# Altium PCB PMSM_Driver.PcbDoc (part 4 of 4)
Units mm, origin at the board's own origin, x right, y up, seen from the top; angles counter-clockwise.
Board outline 270 x 180 mm, 2 copper layers (Top Layer, Bottom Layer), stack 1.371 mm thick; 410 components, 145 nets, 890 pads, 484 vias.
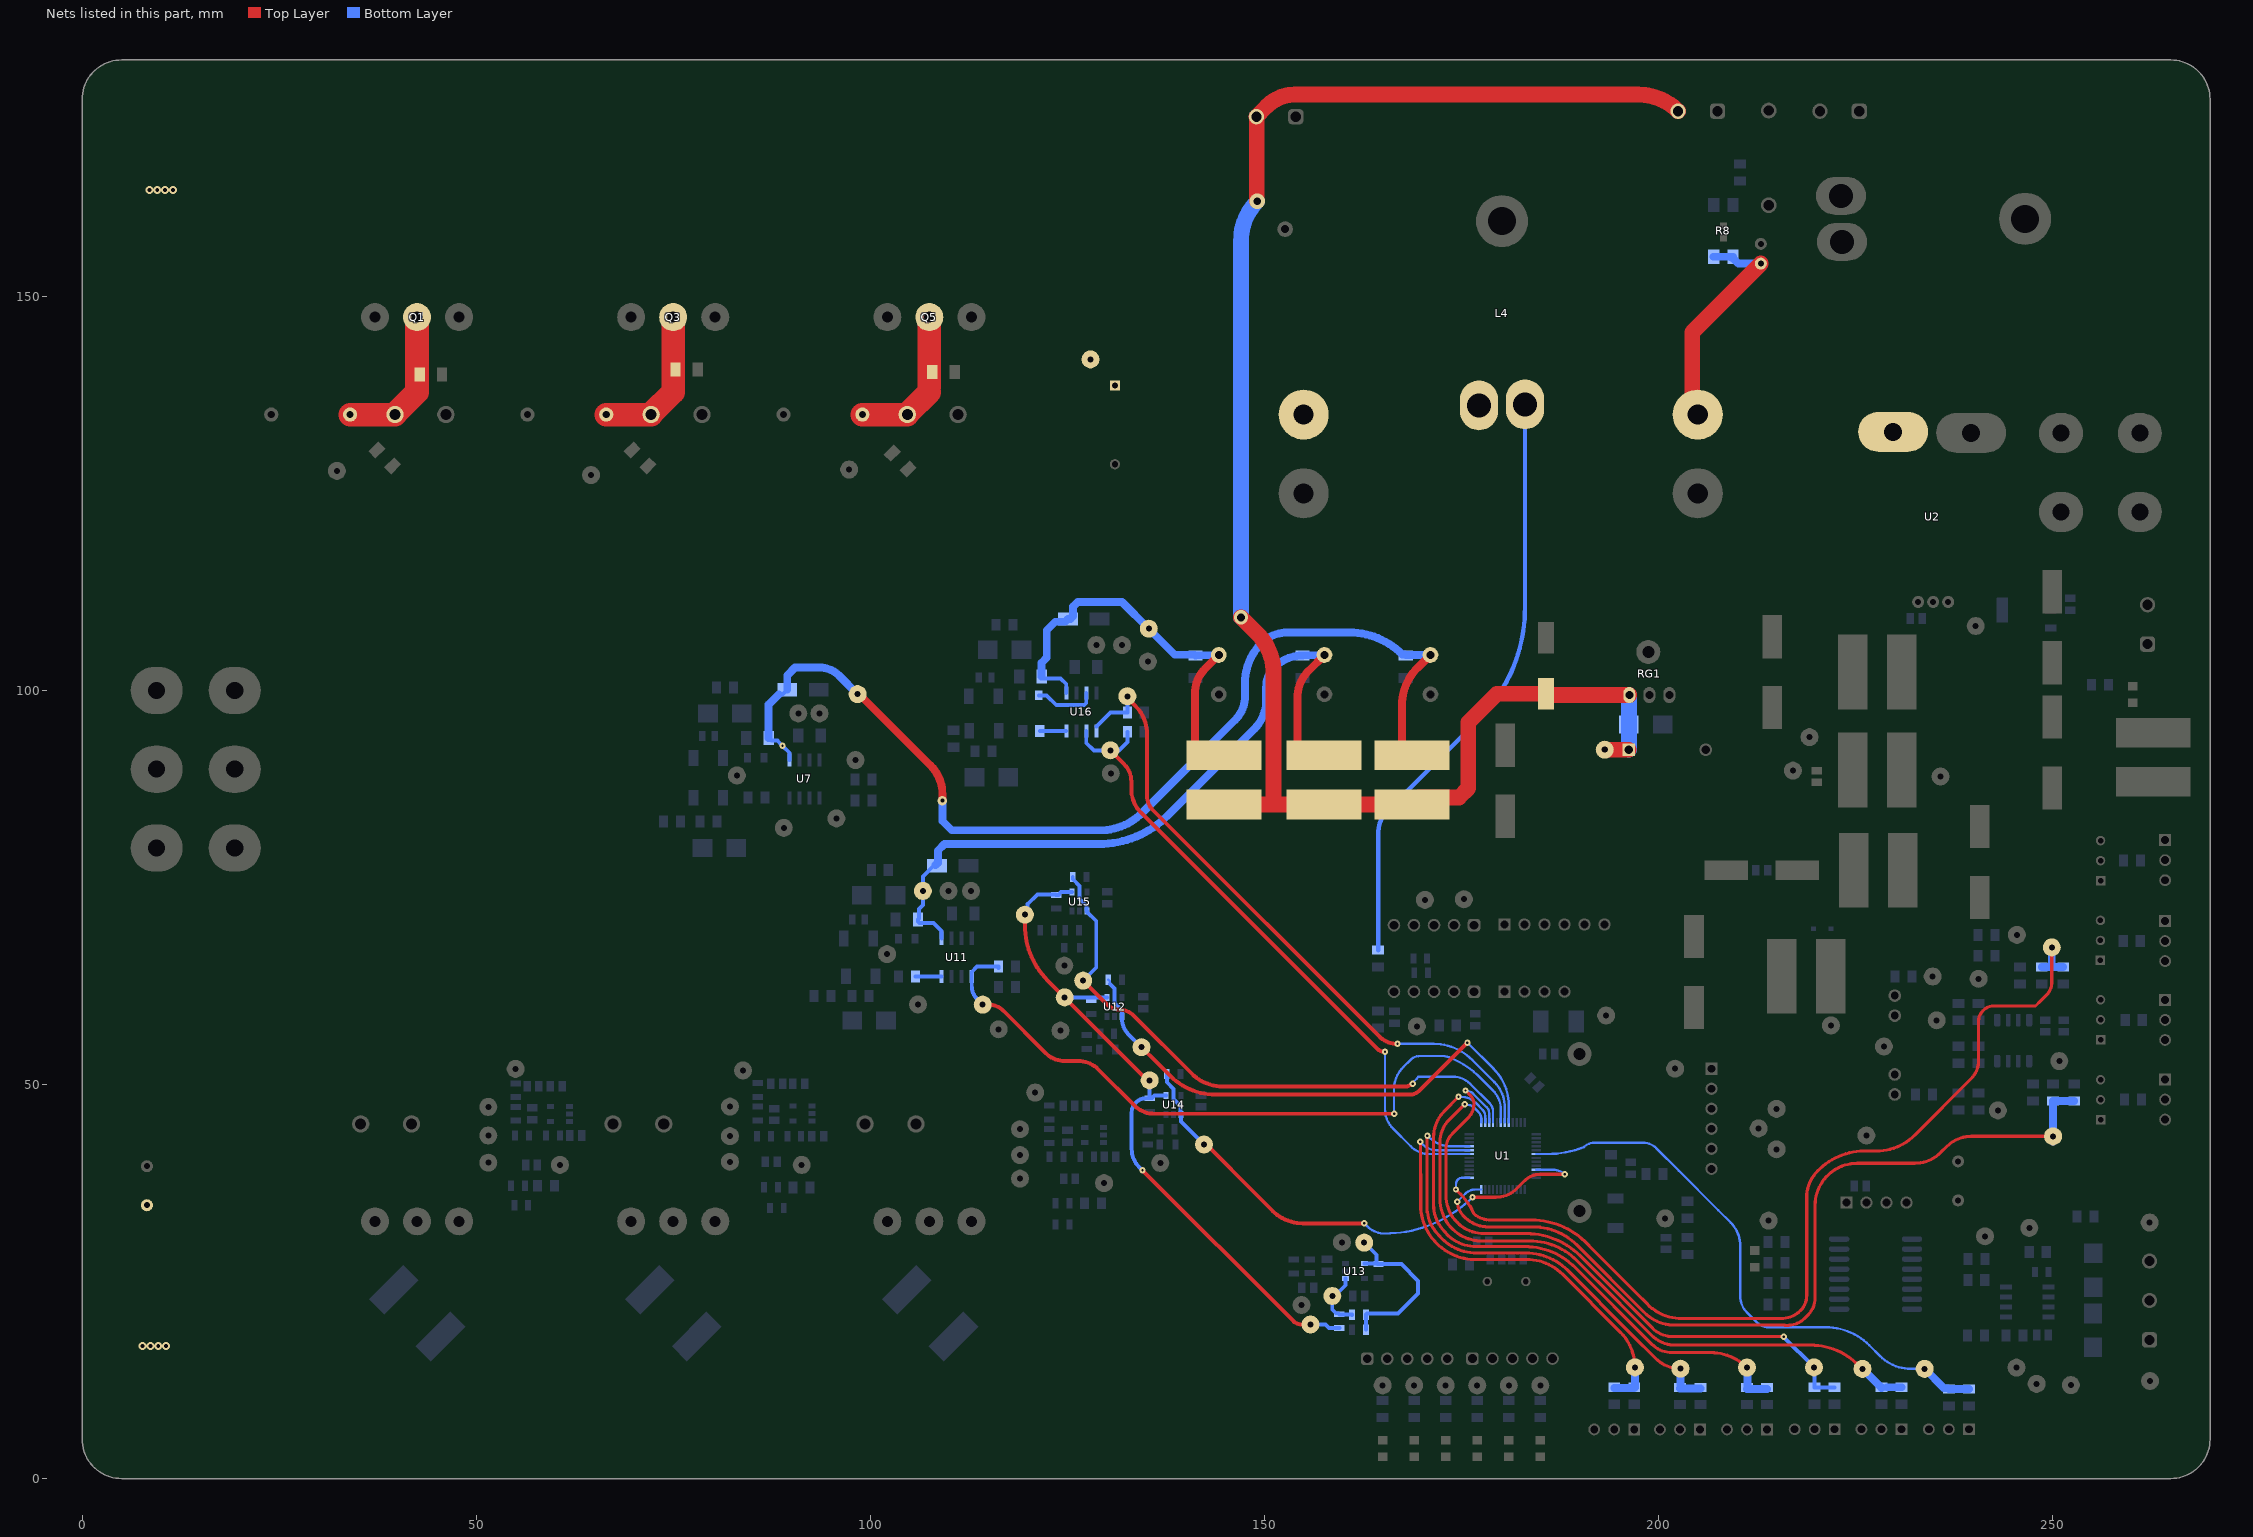
[diagram p4: the nets of this part, all layers, seen from the top]

## Via types
v1: diameter 1, hole 0.5, Top Layer to Bottom Layer, tented both sides, 337 vias
v2: diameter 0.8, hole 0.3, Top Layer to Bottom Layer, tented both sides, 109 vias
v3: diameter 1.2, hole 0.5, Top Layer to Bottom Layer, tented both sides, 17 vias
v4: diameter 1.2, hole 0.7, Top Layer to Bottom Layer, tented both sides, 8 vias
v5: diameter 0.8, hole 0.3, Top Layer to Bottom Layer, 5 vias
v6: diameter 1, hole 0.5, Top Layer to Bottom Layer, 4 vias
v7: diameter 1.8, hole 1, Top Layer to Bottom Layer, tented both sides, 4 vias

## Nets (pads, with @x,y where several pads share a name; then routed paths per layer and width w, separated by ;. In a path a pad name is that pad's centre, name@x,y a point inside that pad or via, vN(x,y) a via of type N, cw(c..) or ccw(c..) an arc to the next point about the centre after c; other vN are vias at no path point) (continued)
NetR56_2: R56.2 TP56.1 U1.30 U11.1 | length 89.8
  Top Layer w0.5: TP56.1@114.275,60.125 115.027,60.125 cw(c115.027,57.496) 116.885,59.355 116.887,59.353 122.236,54.004 ccw(c124.717,56.481) 124.718,52.975 124.72,52.975 126.397,52.975 cw(c126.397,49.407) 128.922,51.928 ; 128.922,51.928 133.518,47.332 ccw(c136.038,49.841) 136.046,46.285 136.047,46.285 v2(166.484,46.285)
  Bottom Layer w0.3: 166.45,49.331 166.45,46.318 v2(166.484,46.285) ; 166.45,49.333 cw(c170.502,49.333) 167.638,52.198 168.555,53.116 cw(c169.762,51.911) 169.762,53.616 172.64,53.616 cw(c172.312,50.158) 173.741,53.324 cw(c169.291,42.802) 177.372,50.878 179.02,49.23 179.021,49.228 cw(c176.606,46.809) 180.025,46.809 ; U1.30@180.025,45.175 180.025,46.807
  Bottom Layer w0.5: TP56.1@114.275,60.125 113.598,60.802 cw(c115.32,62.529) 112.881,62.53 112.881,62.531 U11.1@112.881,63.72 112.881,64.301 112.885,64.305 112.895,64.305 113.554,64.963 R56.2@116.248,64.963 ; R56.2@116.248,64.776 R56.2@116.248,64.963 ; R56.2@116.26,64.963 R56.2@116.248,64.963
NetR57_2: R57.2 U11.4 | length 3.3
  Bottom Layer w0.5: R57.2@105.757,63.72 U11.4@109.071,63.72
NetR60_1: R60.1 R62.1 TP67.1 U1.21 | length 61.4
  Top Layer w0.4: v2(170.7,43.5) 170.632,43.432 170.632,34.547 ccw(c175.884,34.544) 172.183,30.817 cw(c171.9,30.534) 172.202,30.796 ccw(c176.952,34.877) 176.963,28.615 183.177,28.615 183.178,28.615 cw(c183.181,21.122) 188.495,26.405 196.707,18.193 199.672,15.228 ccw(c202.798,18.346) TP67.1@202.801,13.931
  Bottom Layer w0.3: v2@170.951,43.5 170.827,43.5 v2(170.7,43.5) 170.894,43.306 ccw(c173.665,46.074) 173.665,42.158 ; 173.667,42.158 174.071,42.158 ccw(c174.11,42.455) 174.108,42.155 175.289,42.155 175.291,42.157 176.001,42.157 176.001,42.173 U1.21@176.025,42.175
  Bottom Layer w1: R60.1@202.745,11.421 R62.1@205.345,11.421 ; R60.1@202.801,11.477 TP67.1@202.801,13.931 TP67.1@202.801,14.37
NetR61_2: R61.2 TP80.1 U1.32 U12.1 | length 68.4
  Top Layer w0.5: TP80.1@134.425,54.725 136.258,52.892 138.034,51.116 ; 138.035,51.115 ccw(c143.863,56.941) 143.866,48.7 146.377,48.7 166.981,48.7 166.983,48.7 168.345,48.7 ccw(c168.345,50.705) 169.764,49.289 v2(175.775,55.3)
  Bottom Layer w0.3: R61.2@130.199,63.3 130.427,63.072 R61.2@130.427,62.748 ; v2(175.775,55.3) 179.131,51.944 cw(c174.565,47.374) 181.025,47.374 U1.32@181.025,45.175
  Bottom Layer w0.5: R61.2@130.427,62.748 131,62.175 131,60.325 131.95,59.375 U12.1@131.95,58.65 131.95,58.303 131.95,58.301 ccw(c134.607,58.301) 132.73,56.42 TP80.1@134.425,54.725
NetR65_2: R65.2 TP79.1 U1.28 U15.1 | length 76.1
  Top Layer w0.5: TP79.1@127.022,63.175 130.113,60.084 ccw(c131.52,61.487) 131.521,59.5 ; 131.522,59.5 cw(c131.522,56.739) 133.474,58.692 133.477,58.689 140.798,51.368 ccw(c144.694,55.251) 144.703,49.75 167.433,49.75 167.945,49.75 ccw(c167.945,50.872) 168.637,49.989 cw(c168.945,49.594) v2(168.82,50.079)
  Bottom Layer w0.3: v2(168.82,50.079) 168.82,50.214 169.34,50.734 169.34,50.762 169.578,51 173.925,51 ; 173.926,51 cw(c173.932,47.919) 176.118,50.09 178.639,47.568 cw(c177.456,46.538) 178.647,47.559 cw(c177.456,46.538) 179.025,46.538 U1.28@179.025,45.175
  Bottom Layer w0.5: R65.2@125.696,76.325 125.696,76.049 126.572,75.173 126.572,73.55 127.447,72.675 127.447,72.075 U15.1@127.522,72 127.522,71.875 128.679,70.718 128.679,64.832 TP79.1@127.022,63.175
NetR67_2: R67.2 TP82.1 U1.46 U14.1 | length 67.2
  Top Layer w0.4: v2(176.427,35.697) 179.385,35.697 ccw(c179.387,39.464) 182.051,36.801 183.06,37.81 cw(c184.967,35.905) 184.967,38.601 v2(188.116,38.601)
  Top Layer w0.5: TP82.1@142.204,42.813 149.486,35.531 149.488,35.529 151.043,33.974 ccw(c154.904,37.836) 154.904,32.375 157.103,32.375 157.106,32.375 v2(162.682,32.375)
  Bottom Layer w0.3: v2(162.682,32.375) 163.035,32.022 cw(c162.823,31.81) 163.038,32.019 ccw(c165.293,34.276) 165.294,31.086 165.295,31.086 ccw(c165.298,46.82) v2(176.427,35.697) ; U1.46@184.525,39.175 186.676,39.175 cw(c186.676,37.215) 188.062,38.601 v2(188.116,38.601)
  Bottom Layer w0.5: R67.2@137.624,51.325 137.671,51.278 137.671,50.279 138.5,49.45 138.5,48.167 139.375,47.292 139.375,46.275 U14.1@139.45,46.2 139.45,45.279 TP82.1@142.349,42.38
NetR68_2: R68.2 R82.2 R84.1 TP85.1 U13.4 | length 22.2
  Bottom Layer w0.5: TP85.1@162.682,29.925 164.217,28.39 164.217,27.322 164.345,27.193 R68.2@164.5,27.193 167.389,27.193 169.525,25.057 169.525,23.496 166.969,20.94 163.032,20.94 162.904,20.811 R82.2@162.904,20.77 R84.1@162.904,18.893 ; U13.4@162.7,27.263 R68.2@164.217,27.263
NetR69_1: R69.1 R72.1 R74.1 R77.2 TP77.1 TP81.1 TP83.1 TP84.1 U12.4 U14.4 U15.4 | length 89.7
  Top Layer w0.5: TP84.1@119.62,71.539 119.62,70.2 119.62,70.198 ccw(c129.501,70.198) 122.516,63.209 TP81.1@124.675,61.05 135.2,50.525 TP83.1@135.45,50.525 ; v2(134.553,39.1) 153.622,20.03 ccw(c154.785,21.189) 154.786,19.547 154.788,19.547 TP77.1@155.868,19.547
  Bottom Layer w0.5: TP84.1@119.62,71.539 119.962,71.881 119.962,72.871 121.215,74.125 123.523,74.125 R72.1@123.597,74.051 123.873,74.051 124.222,74.4 U15.4@125.622,74.4 ; TP81.1@124.35,61.179 124.479,61.05 TP81.1@124.675,61.05 U12.4@130.05,61.05 ; v2(134.553,39.1) 134.104,39.549 cw(c136.338,41.788) 133.175,41.79 133.175,46.426 cw(c134.983,46.426) 133.706,47.706 cw(c135.021,46.392) 135.021,48.251 135.023,48.251 R74.1@135.45,48.251 ; TP83.1@135.45,50.525 R74.1@135.45,48.251 ; U14.4@137.55,48.6 136.075,48.6 135.726,48.251 R74.1@135.45,48.251 ; TP77.1@155.868,19.547 157.742,19.547 158.195,19.094 R77.2@159.525,19.094
NetR77_1: R77.1 R82.1 TP76.1 U13.1 | length 7.6
  Bottom Layer w0.5: U13.1@160.3,25.363 160.3,24.527 158.936,23.163 TP76.1@158.625,23.163 158.625,21.424 159.075,20.974 159.397,20.974 159.563,20.808 161.114,20.808 R82.1@161.152,20.77
NetR78_1: R78.1 R83.1 TP78.1 U1.25 | length 84.4
  Top Layer w0.4: v2(175.428,47.498) 173.45,45.52 ccw(c176.242,42.727) 172.292,42.727 172.292,42.725 172.292,35.388 ccw(c177.599,35.441) 177.381,30.139 183.682,30.139 cw(c183.693,21.706) 189.673,27.652 194.839,22.486 195.586,21.739 199.18,18.145 ccw(c202.124,21.086) 202.126,16.925 219.317,16.925 219.318,16.925 cw(c219.319,8.421) TP78.1@225.8,13.926
  Bottom Layer w0.3: v2(175.428,47.498) 175.524,47.402 175.799,47.402 cw(c175.799,46.275) 176.598,47.071 ; 176.598,47.071 177.181,46.488 cw(c176.352,45.658) 177.182,46.487 cw(c176.352,45.658) 177.525,45.656 U1.25@177.525,45.175
  Bottom Layer w1: TP78.1@225.9,13.916 228.31,11.507 R78.1@228.31,11.576 ; R78.1@229.019,11.576 R83.1@230.85,11.576
NetR85_1: R85.1 R87.1 TP86.1 U1.26 | length 73.6
  Top Layer w0.4: v2(174.65,48.425) 172.882,46.657 ccw(c176.238,43.298) 171.49,43.298 171.49,43.297 171.49,34.72 ccw(c176.302,34.705) 172.878,31.325 cw(c172.592,31.044) 172.899,31.301 ccw(c176.887,34.612) 176.899,29.429 183.09,29.429 cw(c183.099,20.502) 189.427,26.798 199.178,17.047 ccw(c201.763,19.628) 201.733,15.975 206.676,15.975 cw(c206.676,9.502) 211.249,14.083 TP86.1@211.253,14.079
  Bottom Layer w0.3: v2(174.65,48.425) 175.02,48.425 cw(c175.02,45.937) 176.78,47.695 177.725,46.75 177.726,46.749 cw(c177.005,46.027) 178.025,46.027 ; U1.26@178.025,45.175 178.025,46.026
  Bottom Layer w1: R85.1@211.253,11.363 R87.1@213.793,11.363 ; TP86.1@211.253,14.079 211.314,14.019 R85.1@211.314,11.441
NetR89_1: R89.1 U16.7 | length 7.9
  Bottom Layer w0.5: R89.1@121.379,99.36 122.366,99.36 123.601,98.125 127.119,98.125 127.412,98.418 U16.7@127.412,99.679
NetR94_1: R94.1 R104.1 TP96.1 U1.27 | length 81.5
  Top Layer w0.4: v2(175.524,49.23) 176.122,48.632 cw(c174.969,47.476) 176.596,47.611 176.598,47.557 cw(c173.954,47.583) 175.823,45.713 173.835,43.724 ccw(c175.702,41.858) 173.061,41.857 173.061,35.907 ccw(c177.875,35.891) 177.881,31.077 183.26,31.077 183.261,31.077 cw(c183.262,21.454) 190.071,28.254 199.215,19.11 ccw(c201.892,21.784) 201.894,18 v2(215.9,18)
  Bottom Layer w0.3: v2@175.539,49.214 cw(c175.539,47.835) 176.516,48.809 178.204,47.121 178.205,47.12 cw(c177.434,46.348) 178.525,46.348 ; U1.27@178.525,45.175 178.525,46.346
  Bottom Layer w0.5: v2(215.9,18) 215.9,17.975 219.749,14.126 TP96.1@219.749,14.101 ; TP96.1@219.712,14.138 219.835,14.015 R94.1@219.835,11.576 R104.1@222.375,11.576
NetR97_2: R97.2 TP93.1 U1.19 U16.2 | length 82.4
  Top Layer w0.5: TP93.1@130.466,92.4 132.205,90.661 cw(c129.99,88.443) 133.125,88.442 133.125,88.44 133.125,87.514 ccw(c137.495,87.51) 134.403,84.422 164.033,54.792 164.212,54.613 ccw(c165.315,55.711) v2(165.315,54.155)
  Bottom Layer w0.3: 165.315,46.843 ccw(c168.761,46.843) 166.323,44.406 cw(c166.114,44.192) 166.326,44.404 168.574,42.156 ccw(c170.939,44.518) 170.941,41.175 U1.19@176.025,41.175 ; 165.315,46.844 v2(165.315,54.155)
  Bottom Layer w0.5: U16.2@127.412,94.851 127.412,93.354 128.366,92.4 TP93.1@130.466,92.4 131.55,92.4 132.622,93.472 R97.2@132.622,94.757
NetR98_2: R98.2 TP92.1 U1.31 U16.1 | length 85.7
  Top Layer w0.5: TP92.1@132.622,99.259 132.622,99.045 133.668,97.999 cw(c130.156,94.484) 135.125,94.483 135.125,94.482 135.125,86.614 ccw(c137.687,86.611) 135.877,84.798 164.551,56.124 ccw(c166.9,58.47) v2(166.9,55.15)
  Bottom Layer w0.3: v2(166.9,55.15) 171.49,55.15 cw(c171.49,48.245) 176.374,53.126 179.175,50.325 179.186,50.316 179.196,50.306 cw(c175.961,47.087) 179.198,50.304 cw(c175.961,47.087) 180.525,47.087 U1.31@180.525,45.175
  Bottom Layer w0.5: U16.1@128.686,95.426 128.686,95.436 128.697,95.436 130.482,97.222 R98.2@132.622,97.222 TP92.1@132.622,99.679 ; TP92.1@132.622,99.259 TP92.1@132.622,99.643
NetR101_1: R101.1 R109.2 TP98.1 U1.13 | length 124.2
  Top Layer w0.4: v2(174.314,36.673) 174.839,36.147 174.841,36.146 cw(c168.897,30.187) 176.559,33.669 ccw(c176.922,33.836) 176.671,33.525 ccw(c178.732,36.077) 178.738,32.797 179.411,32.797 183.907,32.797 cw(c183.909,22.977) 191.406,29.319 191.418,29.307 196.869,23.856 197.103,23.622 198.632,22.093 ccw(c202.958,26.416) 202.96,20.3 209.07,20.3 215.55,20.3 ccw(c215.552,23.854) 218.065,21.341 ccw(c216.232,23.176) 218.825,23.176 218.825,35.7 cw(c223.444,35.701) 220.173,38.962 220.184,38.973 cw(c226.101,33.467) 226.102,41.55 226.103,41.55 227.653,41.55 227.655,41.55 ccw(c227.655,48.416) 232.511,43.562 239.705,50.756 ccw(c237.446,53.017) 240.642,53.017 240.642,58.068 cw(c242.435,58.068) 241.331,59.481 cw(c242.463,58.35) 242.463,59.95 246.918,59.95 247.857,59.95 248.523,60.615 249.226,61.319 ccw(c247.544,63.004) 249.925,63.004 TP98.1@249.925,67.393
  Bottom Layer w0.3: v2(174.314,36.673) 174.327,36.686 174.327,37.4 ; 174.327,37.401 cw(c175.054,37.402) 174.541,37.917 cw(c175.163,37.296) 175.163,38.175 ; 175.164,38.175 U1.13@176.025,38.175
  Bottom Layer w1: R101.1@248.646,64.916 R109.2@251.371,64.916 ; 249.925,65.068 TP98.1@249.925,67.393
NetR102_1: R102.1 R110.2 TP99.1 U1.12 | length 111
  Top Layer w0.4: v2(174.485,35.116) 174.485,35.113 ccw(c177.132,35.237) 175.264,33.357 ccw(c178.416,36.134) 178.411,31.933 184.038,31.933 cw(c184.04,23.902) 189.723,29.577 198.232,21.068 ccw(c202.109,24.937) 202.112,19.46 202.114,19.46 207.942,19.46 215.998,19.46 cw(c215.998,19.06) 216.043,19.457 ccw(c216.396,22.506) 218.567,20.337 219.014,20.784 ccw(c216.9,22.9) 219.891,22.9 219.891,34.656 cw(c225.235,34.656) 225.235,40 232.534,40 ccw(c232.535,44.694) 235.855,41.376 236.624,42.144 cw(c239.702,39.068) 239.702,43.42 TP99.1@250.084,43.42
  Bottom Layer w0.3: v2(174.485,35.116) 175.5,36.131 cw(c176.811,34.823) 176.811,36.675 U1.12@177.525,36.675
  Bottom Layer w1: R102.1@250.063,47.923 R110.2@252.77,47.923 ; TP99.1@250.084,42.752 TP99.1@250.084,43.42 R102.1@250.084,47.902
NetR103_2: R103.2 U16.4 | length 3.4
  Bottom Layer w0.5: R103.2@121.507,94.851 U16.4@124.872,94.851
NetR114_1: R114.1 R118.1 TP103.1 U1.20 | length 57.6
  Top Layer w0.4: v2(169.806,42.75) 169.845,34.711 ccw(c176.705,34.711) 171.853,29.861 ccw(c176.902,34.914) 177.529,27.799 cw(c177.563,27.4) 177.563,27.8 183.266,27.8 cw(c183.268,21.325) 187.852,25.898 195.171,18.578 cw(c190.697,14.1) TP103.1@197.027,14.1
  Bottom Layer w0.3: v2(169.806,42.75) 169.806,42.71 170.167,42.349 ccw(c171.792,43.971) 171.794,41.675 172.025,41.675 172.092,41.675 U1.20@176.025,41.675
  Bottom Layer w1: R114.1@194.402,11.473 194.403,11.475 196.942,11.475 197.027,11.56 TP103.1@197.027,14.1
NetR125_1: R125.1 R126.1 TP8.1 U1.42 | length 72.5
  Bottom Layer w0.3: U1.42@184.525,41.175 185.934,41.175 ccw(c185.94,53.641) 190.518,42.046 ; 190.519,42.046 ccw(c190.408,42.325) 190.613,42.106 cw(c191.918,40.724) 191.919,42.625 ; 191.92,42.625 194,42.625 198.045,42.625 cw(c198.045,40.258) 199.72,41.93 202.583,39.067 207.61,34.04 209.181,32.469 cw(c206.243,29.528) 210.4,29.528 210.4,23.138 ccw(c213.325,23.136) 211.258,21.067 212.524,19.801 ccw(c213.973,21.247) 213.975,19.2 214.488,19.2 ; 214.489,19.2 221.235,19.2 cw(c221.235,11.379) 226.767,16.908 228.139,15.536 ccw(c232.047,19.441) 232.048,13.916 ; 232.049,13.916 TP8.1@233.795,13.916
  Bottom Layer w1: TP8.1@233.795,13.916 236.255,11.456 236.787,11.456 R125.1@236.865,11.377 R126.1@239.405,11.376
PE: C63.2
  other v1: 7.66,16.812 8.66,16.812 9.66,16.812 10.65,16.801 11.525,163.476 8.535,163.487 9.535,163.487 10.535,163.487
V_BAT: C5.1 C6.1 C24.2 C26.1 C45.2 C51.1 C70.2 C72.1 L4.2 Q1.2 Q3.2 Q5.2 TP7.1 VD3.2 VD5.2 VD7.2 | length 57.7
  Top Layer w2: VD3.2@39.7,135 VD3.2@39.7,135.054 ; VD5.2@72.2,135 VD5.2@72.2,135.054 ; VD7.2@104.7,135 VD7.2@104.7,135.054 ; 107.5,137.854 107.5,138.5
  Top Layer w3: C26.1@34,135 VD3.2@39.7,135 ; VD3.2@39.7,135.054 42.5,137.854 42.5,140.1 Q1.2@42.5,147.365 ; C51.1@66.5,135 VD5.2@72.2,135 ; VD5.2@72.2,135.054 75,137.854 75,139.5 Q3.2@75,147.365 ; C72.1@99,135 VD7.2@104.7,135 ; VD7.2@104.7,135.054 107.5,137.854 ; 107.5,138.5 Q5.2@107.5,147.365
V_PS: C7.1 J1.2 L4.1 R7.2 R8.2 U2.5 | length 104.5
  Top Layer w1: C7.1@204.26,135.865 C7.1@204.3,135.825
  Top Layer w2: C7.1@204.3,135.825 204.3,145.455 J1.2@213,154.155
  Bottom Layer w0.56: R7.2@164.45,67.051 164.45,81.855 164.45,81.857 cw(c168.538,81.857) 165.649,84.749 177.166,96.266 ccw(c162.907,110.537) 183.081,110.54 L4.1@183.081,136.298 L4.1@183.13,136.249
  Bottom Layer w1: R8.2@207.021,155.025 R8.2@209.471,155.025 ; R8.2@209.246,154.9 209.421,154.9 210.166,154.155 J1.2@213,154.155
VCC: C15.1 C27.2 D10.1 J4.2 J7.2 L3.1 L5.1 L6.1 RG1.1 TP10.1 ZD3.2 | length 214.9
  Top Layer w1: J4.2@149,172.8 J4.2@149.054,172.747 ; C15.1@149.054,162.121 C15.1@149.107,162.068 ; 149.093,107.232 149.094,107.231 ; 153.853,175.6 153.855,175.6 ; C27.2@185.75,99.575 C27.2@185.911,99.414 ; J7.2@202.496,173.504 J7.2@202.5,173.5
  Top Layer w2: L6.1@143.536,85.525 151.175,85.525 ; v7(147.05,109.275) 149.093,107.232 ; J4.2@149,172.8 150.348,174.147 cw(c153.852,170.646) 153.853,175.6 ; C15.1@149.054,162.121 J4.2@149.054,172.747 ; 149.094,107.231 cw(c144.077,102.21) 151.175,102.21 151.175,85.525 ; 153.855,175.6 197.43,175.6 cw(c197.43,168.43) J7.2@202.496,173.504 ; L3.1@165.825,85.525 L5.1@157.565,85.525 151.175,85.525 ; L3.1@168.75,85.525 169.625,86.4 174.703,86.4 175.875,87.572 175.875,95.925 179.525,99.575 C27.2@185.75,99.575 ; C27.2@185.911,99.414 RG1.1@196.312,99.414 ; TP10.1@193.2,92.475 D10.1@196.237,92.475
  Bottom Layer w1: 147.05,157.099 147.05,157.101 ; D10.1@196.237,92.475 D10.1@196.274,92.512 ; RG1.1@196.274,99.377 RG1.1@196.312,99.414
  Bottom Layer w2: v7(147.05,109.275) 147.05,157.099 ; 147.05,157.101 cw(c154.074,157.101) C15.1@149.107,162.068 ; D10.1@196.274,92.512 RG1.1@196.274,99.377
VCC_DRV_1: C14.2 C18.1 C25.2 D9.2 L3.2 TP30.1 U7.5 | length 135.3
  Top Layer w1: TP30.1@98.396,99.522 98.603,99.522 107.674,90.451 107.676,90.449 cw(c104.121,86.892) 109.15,86.891 109.15,86.889 v3(109.15,86.025) ; L3.2@168.75,91.775 167.475,93.05 167.475,98.126 167.475,98.128 cw(c174.148,98.129) 169.431,102.85 C18.1@171.082,104.5
  Bottom Layer w0.5: C25.2@87.114,93.98 87.477,93.617 88.221,93.617 v2(88.866,92.972) 89.75,92.088 89.75,91.192 U7.5@89.754,91.188 ; D9.2@88.389,99.488 88.864,99.488 D9.2@89.464,100.088
  Bottom Layer w1: C25.2@87.114,93.98 87.114,98.213 D9.2@88.389,99.488 ; D9.2@89.464,100.088 89.464,101.903 90.461,102.9 93.579,102.9 cw(c93.579,99.423) 96.038,101.88 96.04,101.879 TP30.1@98.396,99.522 ; v3(109.15,86.025) 109.15,83.454 110.354,82.25 129.119,82.25 ccw(c129.122,89.923) 134.549,84.499 146.314,96.264 ccw(c143.315,99.264) 147.557,99.264 147.557,100.985 147.557,100.989 cw(c154.59,100.994) 149.621,105.971 149.622,105.972 cw(c152.948,102.647) 152.948,107.35 160.134,107.35 160.801,107.35 cw(c160.801,97.876) C14.2@167.499,104.576 ; C14.2@167.503,104.575 167.875,104.575 167.95,104.5 C18.1@171.082,104.5
VCC_DRV_2: C13.2 C17.1 C50.2 D16.2 L5.2 TP49.1 U11.5 | length 89.9
  Top Layer w1: L5.2@154.2,91.637 154.2,99.054 154.2,99.056 cw(c159.058,99.056) 155.625,102.493 C17.1@157.632,104.5
  Bottom Layer w0.5: C50.2@106.066,70.665 106.219,70.512 108.047,70.512 109.067,69.492 109.067,68.552 U11.5@109.071,68.548 ; C50.2@106.066,70.915 106.188,71.037 106.188,72.272 106.675,72.759 TP49.1@106.675,74.555 106.675,76.375 108.125,77.825 D16.2@108.275,77.825 ; D16.2@108.287,77.837 D16.2@108.475,77.775
  Bottom Layer w1: D16.2@108.275,77.825 108.287,77.837 108.575,78.125 108.575,79.65 109.425,80.5 128.99,80.5 ccw(c128.992,92.889) 137.754,84.13 148.746,95.122 ccw(c145.166,98.706) 150.232,98.706 150.232,100.395 150.232,100.399 cw(c153.832,100.402) 151.286,102.948 cw(c154.85,99.388) 154.45,104.409 C13.2@154.85,104.425 154.888,104.462 157.595,104.462 C17.1@157.632,104.5
VCC_DRV_3: C11.1 C12.2 C71.2 D19.2 L6.2 TP89.1 U16.5 | length 51.9
  Top Layer w1: L6.2@142.325,91.825 141.2,92.95 141.2,99.626 141.2,99.628 cw(c145.642,99.628) 142.503,102.771 C11.1@144.232,104.5
  Bottom Layer w0.5: C71.2@121.754,101.515 124.16,101.515 124.868,100.807 124.868,99.683 U16.5@124.872,99.679
  Bottom Layer w1: C71.2@121.754,101.765 121.754,103.515 122.404,104.165 122.404,107.629 123.49,108.715 124.745,108.715 D19.2@125.095,109.065 125.392,109.065 125.742,109.415 125.742,110.639 126.328,111.225 131.95,111.225 TP89.1@135.347,107.828 138.652,104.523 141.177,104.523 C12.2@141.275,104.425 141.313,104.462 144.194,104.462 C11.1@144.232,104.5 ; D19.2@125.347,109.065 D19.2@125.447,109.165
pads on no net: L2.GND L4.GND U4.3 U4.14

## Polygon pours and split planes (outlines as drawn)
GND on Top Layer "NONET_L-01_P-001" (solid, pour order 28): 257.925,128.35 257.925,116.625 257.1,115.8 135.259,115.8 126.974,107.515 126.974,90.751 159.884,57.841 159.884,52 144.925,52 111.437,85.488 111.437,101.663 107.425,105.675 97.378,105.675 81.74,90.038 81.74,87.943 88.583,81.1 92.225,81.1 100.391,72.934 100.391,63.759 111.7,52.45 111.7,38.675 114.414,38.675 117.533,35.556 117.533,29.079 97.467,29.079 97.5,29.112 97.5,50.273 84.6,63.173 84.6,65.141 83.966,65.775 6.25,65.775 6.25,37.9 29.875,37.9 29.875,0 251.7,0 239.246,12.454 237.996,12.454 234.325,16.125 229.112,16.125 224.635,20.602 224.635,31.19 227.175,33.73 227.175,38.9 270,38.9 270,128.35
PE on Top Layer "NONET_L-01_P-001" (solid, pour order 36): 28.088,180 28.088,144.512 28.1,144.5 0,144.5 -0.025,180
PE on Top Layer "NONET_L-01_P-001" (solid, pour order 34): 0.037,35.725 26.413,35.725 26.413,0 0.038,0
no net on Top Layer "NONET_L-01_P-001" (solid, pour order 27): 155.9,5.225 156,5.225 156,5.125
GND on Top Layer "111" (solid, pour order 26): 144.275,169.625 150.965,162.935 150.965,158.796 152.711,157.05 155.8,157.05 168.325,144.525 265.8,144.525 265.8,117.236 270,117.236 270,163.45 254.525,178.925 144.275,178.925
GND on Top Layer "NONET_L-01_P-001" (solid, pour order 20): 264.355,117.236 264.355,128.35 136.15,128.35 134.925,129.575 127.175,129.575 127.175,117.236
NetC24_1 on Top Layer "NONET_L-01_P-001" (solid, pour order 5): 6.175,96.925 6.175,114.2 24.3,114.2 45.05,134.95 45.05,143.438 46.056,144.444 46.056,149.249 49.612,149.249 54,144.861 54,119.05 31.875,96.925
NetC45_1 on Top Layer "NONET_L-01_P-001" (solid, pour order 4): 6.16,85.112 6.16,94.845 33.57,94.845 47.8,109.075 51.488,109.075 69.113,126.7 77.5,135.087 77.5,141.55 78.431,142.481 78.431,149.349 81.899,149.501 86.125,145.275 86.125,123.6 47.637,85.112
NetC70_1 on Top Layer "NONET_L-01_P-001" (solid, pour order 9): 105.566,30.857 105.566,35.584 102.6,38.55 102.6,46.168 100.543,48.225 86.265,62.503 86.265,65.839 84.904,67.2 56.25,67.2 51.55,71.9 51.55,81.225 67.435,97.11 80.714,97.11 80.714,87.429 87.718,80.425 91.525,80.425 99.086,72.865 99.086,63.589 106.445,56.23 110.9,51.775 110.9,39.189 109.316,37.606 109.316,30.857
NetC70_1 on Top Layer "NONET_L-01_P-001" (solid, pour order 3): 6.1,67.2 6.1,83 49.325,83 54.075,87.75 66.3,99.975 69.375,99.975 93.925,124.525 100.425,124.525 110.05,134.15 110.05,141.65 111.056,142.656 111.056,149.524 113.973,149.527 118.8,144.7 118.8,128.425 57.575,67.2
GND on Top Layer "NONET_L-01_P-001" (solid, pour order 23): 134.925,129.575 126.325,129.575 123.35,126.6 113.127,116.377 113.127,84.898 145.2,52.825 158.8,52.825 158.8,56.825 126.325,89.3 126.325,108.5 136.15,118.325 136.15,128.35
GND_2 on Top Layer "NONET_L-01_P-001" (solid, pour order 1): 228.2,36.75 228.2,33.73 230.485,31.445 230.485,20.234 232.41,18.309 236.022,18.309 239.494,14.848 241.725,14.848 247.681,8.892 269.952,8.85 270,8.898 270,36.75
V_BAT on Top Layer "NONET_L-01_P-001" (solid, pour order 6): 40.4,145.15 40.4,164.2 54.375,178.175 132.475,178.175 146.5,164.15 146.5,161.219 151.869,155.85 164.155,143.564 179.646,143.564 179.646,130 138.175,130 116.75,151.425 110.993,151.425 109.825,150.257 109.825,145.15 105.35,145.15 105.35,151.125 97.95,158.525 85.216,158.525 77.423,150.732 77.423,145.15 72.65,145.15 72.65,149.075 63.675,158.05 51.875,158.05 44.6,150.775 44.6,145.15
V_PS on Top Layer "NONET_L-01_P-001" (solid, pour order 19): 234.175,129.825 181.85,129.825 180.496,131.179 180.496,143.55 234.175,143.55
GND on Bottom Layer "NONET_L-01_P-001" (solid, pour order 29): 262.15,128.35 257.925,124.125 257.925,116.908 80.383,116.908 67.025,103.55 67.025,79.4 78.725,67.7 78.725,66.65 78.725,40.992 84.177,35.54 85.067,35.646 137.218,35.646 143.741,42.168 143.741,69.191 144.275,69.725 148,69.725 159.925,57.8 159.925,38.385 151.025,29.485 151.025,12.4 140.487,1.863 140.487,0 252.975,0 240.521,12.454 237.759,12.454 234.325,15.889 234.325,16.125 229.112,16.125 224.635,20.602 224.635,31.184 227.175,33.724 227.175,38.9 270,38.9 270,128.35
PE on Bottom Layer "NONET_L-01_P-001" (solid, pour order 35): 28.088,180 28.088,144.512 28.1,144.5 0,144.5 -0.025,180
PE on Bottom Layer "NONET_L-01_P-001" (solid, pour order 33): 0.037,35.725 26.413,35.725 26.413,0 0.038,0
GND on Bottom Layer "NONET_L-01_P-001" (solid, pour order 30): 161.16,156.025 161.16,113.225 170.675,113.225 170.675,153.15 167.8,156.025
GND_2 on Bottom Layer "NONET_L-01_P-001" (solid, pour order 0): 228.2,36.75 228.2,33.73 230.485,31.445 230.485,20.229 232.404,18.309 236.022,18.309 239.494,14.848 241.704,14.848 247.702,8.85 269.952,8.85 270,8.898 270,36.75
GND on Bottom Layer "NONET_L-01_P-001" (solid, pour order 32): 61.209,36.35 52.324,36.35 49.491,39.183 49.491,50.191 53.287,53.987 60.662,53.987 64.575,50.074 64.575,40.158
GND on Bottom Layer "епф" (solid, pour order 25): 144.2,169.6 150.965,162.835 150.965,158.796 152.711,157.05 155.8,157.05 168.325,144.525 265.525,144.525 265.525,117.236 269.675,117.236 269.675,164.3 253.975,180 144.2,180
NetC24_1 on Bottom Layer "NONET_L-01_P-001" (solid, pour order 7): 40.65,30.75 40.65,36.45 38.6,38.5 38.6,46.5 32.975,52.125 32.975,119 44,119 44,62.875 46.1,60.775 46.1,37.45 44.4,35.75 44.4,30.75
NetC45_1 on Bottom Layer "NONET_L-01_P-001" (solid, pour order 8): 73.074,30.76 73.074,35.76 70.512,38.321 70.512,51.987 53.125,69.375 53.125,110.8 57.5,115.175 65,107.675 65,78.675 77.334,66.341 77.334,36.27 76.824,35.76 76.824,30.76
GND on Bottom Layer "NONET_L-01_P-001" (solid, pour order 16): 37.853,1.725 137.775,1.725 149.55,13.5 149.55,22.825 119.1,22.825 113.552,22.825 107.052,16.325 100.975,16.325 95.744,21.556 79.969,21.556 74.738,16.325 67.4,16.325 62.169,21.556 47.334,21.556 37.853,12.075
GND on Bottom Layer "NONET_L-01_P-001" (solid, pour order 24): 144.675,51.325 144.675,41.75 136.925,34 136.925,26.028 132.098,21.202 144.675,8.625 149.525,13.475 149.525,29.45 158.8,38.725 158.8,56.825 146.625,69 144.675,69
NetC72_2 on Bottom Layer "NONET_L-01_P-001" (solid, pour order 15): 98.379,35 98.379,23.921 102.452,19.848 108.577,25.973 106.75,27.8 104.196,30.354 104.196,33.532 102.728,35
NetC26_2 on Bottom Layer "NONET_L-01_P-001" (solid, pour order 13): 33.575,35 33.575,23.303 37.191,19.686 43.627,26.123 39.396,30.354 39.396,33.279 37.675,35
NetC51_2 on Bottom Layer "NONET_L-01_P-001" (solid, pour order 14): 66.45,35 66.45,22.65 69.681,19.419 76.19,25.927 71.763,30.354 71.763,33.362 70.125,35
no net on Top Solder "NONET_L-01_P-001" (solid): 0.031,9.062 0.031,0.046 9.456,0.046 9.456,9.062
no net on Top Solder "NONET_L-01_P-001" (solid): 0.031,180.046 0.031,171.209 9.515,171.209 9.515,180.046
no net on Top Solder "NONET_L-01_P-001" (solid): 14.031,159.062 14.031,150.046 23.456,150.046 23.456,159.062
no net on Top Solder "NONET_L-01_P-001" (solid): 13.836,30.149 13.836,21.134 23.261,21.134 23.261,30.149
no net on Bottom Solder "NONET_L-01_P-001" (solid): 0,9.016 0,0 9.425,0 9.425,9.016
no net on Bottom Solder "NONET_L-01_P-001" (solid): 0,180 0,171.163 9.484,171.163 9.484,180
no net on Bottom Solder "NONET_L-01_P-001" (solid): 13.05,159.016 13.05,147.75 24.95,147.75 24.95,159.016
no net on Bottom Solder "NONET_L-01_P-001" (solid): 13.05,32.825 13.05,21.087 24.625,21.087 24.625,32.825

## Keep-outs
Keep-Out Layer:
  circle w0.254: c131.15,153 r2.5
  circle w0.254: c93.63,153 r2.5
  circle w0.254: c56.18,153 r2.5
  circle w0.254: c18.7,153 r2.5
  circle w0.254: c56.23,27 r2.5
  circle w0.254: c18.78,27 r2.5
  circle w0.254: c93.77,27 r2.5
  circle w0.254: c131.27,27 r2.5
  circle w0.254: c5,175 r1.5
  circle w0.254: c5,5 r1.5
  circle w0.254: c265,5 r1.5
  circle w0.254: c265,175 r1.5
  lines w0.2: 0,5 ccw(c5,5) 5,0 265,0 ccw(c265,5) 270,5 270,175 ccw(c265,175) 265,180 5,180 ccw(c5,175) 0,175 0,5

## Other copper
Top Layer:
  rectangle net PE: 0.3,19.95 3.275,161.475
  rectangle net NetJ3_2: 235.225,129.825 264.355,143.6
  pour cut-out: 127.06,22.75 135.48,22.75 135.48,31.325 127.06,31.325
  pour cut-out: 89.56,22.725 97.98,22.725 97.98,31.3 89.56,31.3
  pour cut-out: 52.013,22.75 60.432,22.75 60.432,31.325 52.013,31.325
  pour cut-out: 72.125,43.175 75.55,43.175 75.55,46.825 72.125,46.825
  pour cut-out: 39.975,46.675 39.975,43.25 43.625,43.25 43.625,46.675
  pour cut-out: 32.467,35.556 32.467,29.079 52.533,29.079 52.533,35.556
  pour cut-out: 64.967,29.079 64.967,35.5 84.977,35.556 84.977,29.079
  pour cut-out: 32.467,35.556 32.467,29.079 52.533,29.079 52.533,35.556
  pour cut-out: 224.325,166.759 226.725,166.759 226.725,172.537 224.325,172.537
  pour cut-out: 211.73,157.875 211.73,155.493 218.625,155.493 218.625,155.595 218.625,157.875
  pour cut-out: 202.775,144.25 202.775,146.175 213.128,156.528 215.435,154.22 205.466,144.25
  pour cut-out: 270,8.85 270,0 269.257,0 253.113,0 240.659,12.454 237.996,12.454 234.325,16.125 229.112,16.125 224.642,20.595 224.642,31.19 227.175,33.724 227.175,38.9 270.007,38.9 270.007,36.75 228.207,36.75 228.207,33.73 230.507,31.43 230.507,20.229 232.415,18.32 236.022,18.32 239.494,14.848 241.704,14.848 247.702,8.85
  pour cut-out: 131.229,160.454 138.673,153.011 131.229,145.568 123.507,153.011
Bottom Layer:
  rectangle net PE: 0.285,19.925 3.275,161.475
  pour cut-out: 208.746,155.325 208.746,152.993 213.363,152.993 213.363,155.325
  pour cut-out: 210.625,162.975 210.625,160.175 214.184,160.175 214.184,162.975
  pour cut-out: 270,8.85 270,0 269.25,0 253.113,0 240.659,12.454 237.996,12.454 234.325,16.125 229.112,16.125 224.635,20.602 224.635,31.19 227.175,33.73 227.175,38.9 270,38.9 270,36.75 228.2,36.75 228.2,33.73 230.5,31.43 230.5,20.235 232.415,18.32 236.022,18.32 239.494,14.848 241.704,14.848 247.702,8.85

## Silkscreen, mask and mechanical layers (free items; w line width, h text height)
Top Overlay:
  rectangle: 14,150 136.225,175.6
  rectangle: 14,4.4 136,30
  lines w1: 14,4.4 136,4.4 136,30 14,30 14,4.4 ; 14,150 136,150 136,175.6 14,175.6 14,150
  text "GND" at 221.696,179.271 h1.2 r180
  text "VCC +18V" at 204.746,179.246 h1.2 r180
  text "GND" at 209.596,179.246 h1.2 r180
  text "VCC_OUT" at 231.371,179.196 h1.2 r180
  text "VCC+18V" at 150.201,178.596 h1.2 r180
  text "GND" at 156.101,178.596 h1.2 r180
  text "VCC" at 269.246,130.004 h1.52 r90
  text "GND" at 269.5,120.35 h1.52 r90
  text "GND" at 268.746,109.454 h1.52 r90
  text "5V" at 268.746,103.529 h1.52 r90
  text "A" at 0.754,100.196 h2 r270
  text "B" at 0.754,89.896 h2 r270
  text "GND" at 269.195,80.681 h0.8 r90
  text "C" at 0.754,80.321 h2 r270
  text "D4+" at 269.195,77.604 h0.8 r90
  text "5V" at 269.146,75.129 h0.8 r90
  text "3.3V" at 180.989,74.833 h1.2 r90
  text "DIO" at 183.529,74.833 h1.2 r90
  text "CLK" at 186.064,74.579 h1.2 r90
  text "TX" at 188.609,74.579 h1.2 r90
  text "RX" at 191.371,74.579 h1.2 r90
  text "GND" at 194.146,74.504 h1.2 r90
  text "GND" at 269.196,70.504 h0.8 r90
  text "D3+" at 269.071,67.304 h0.8 r90
  text "GND" at 177.162,64.588 h1.2 r90
  text "5V" at 269.071,64.468 h0.8 r90
  text "SDA" at 172.173,64.429 h1.2 r90
  text "SCL" at 174.622,64.429 h1.2 r90
  text "5V" at 167.049,64.045 h1.2 r90
  text "3.3V" at 169.649,63.929 h1.2 r90
  text "DIO" at 183.529,63.708 h0.8 r90
  text "3.3V" at 179.972,63.524 h0.8 r90
  text "CLK" at 186.064,63.454 h0.8 r90
  text "GND" at 188.621,63.454 h0.8 r90
  text "GND" at 269.192,60.49 h0.8 r90
  text "D4-" at 268.996,57.579 h0.8 r90
  text "5V" at 268.996,54.628 h0.8 r90
  text "b" at 4.65,53.825 h20
  text "GND" at 269.192,50.39 h0.8 r90
  text "D3-" at 269.121,47.679 h0.8 r90
  text "5V" at 269.121,44.528 h0.8 r90
  text "3.3V" at 204.581,35.551 h1.2
  text "5V" at 204.679,33.504 h1.2
  text "RX" at 204.729,31.404 h1.2
  text "TX" at 204.754,29.229 h1.2
  text "A" at 268.746,28.329 h1.52 r90
  text "DIR" at 204.754,27.148 h1.2
  text "GND" at 204.679,25.079 h1.2
  text "GND" at 268.746,20.804 h1.52 r90
  text "B" at 268.746,16.254 h1.52 r90
  text "TIM_1" at 199.579,1.054 h1.2
  text "HALL_A" at 208.379,1.054 h1.2
  text "HALL_B" at 216.954,1.054 h1.2
  text "HALL_C" at 225.554,1.054 h1.2
  text "TIM_2" at 235.529,1.054 h1.2
  text "INT" at 192.629,0.854 h1.2
Top Solder:
  lines w3: 9.1,89.725 40.55,89.725 80.334,129.509 80.334,147.365 ; 10.125,80 62.275,80 66.85,75.425 80.945,75.425 107.5,48.87 107.5,32.635 ; 19.366,100 47.834,128.468 47.834,133.192 48.6,133.958 48.6,141.875 47.834,142.641 47.834,147.365 ; 42.5,147.365 42.4,147.465 42.4,158.225 51.3,167.125 129.8,167.125 155,141.925 155,135.8 ; 61.732,80.332 112.834,131.434 112.834,147.365 ; 75,147.112 75,167.099 ; 183.105,136.274 192.151,136.274 193.425,135 205.825,135 ; 204.775,135 227.95,135 230.025,132.925 ; 239.175,132.6 261.05,132.6
  lines w4: 150.577,55.602 119.775,86.405 119.775,112.075 130.175,122.475 261.088,122.475 ; 155,135.8 177.1,135.8
Bottom Solder:
  lines w3: 38.275,115.225 38.275,56.5 42.5,52.275 42.5,32.635 ; 59,108.175 59,73.175 75,57.175 75,32.635
  lines w4: 45.934,16.993 51.627,11.3 132.525,11.3 138.575,17.35 111.127,17.35 110.977,17.2 ; 78.905,17.02 82.15,13.775 95.575,13.775 121.575,13.775 122,14.2 135.425,14.2 143.95,22.725 143.95,32.425 150.925,39.4 150.925,58.55
  text "3" at 600.157,942.463 h2.5
  text "4" at 808.41,942.463 h2.5
  text "5" at 1016.824,942.463 h2.5
  text "6" at 1225.077,942.463 h2.5
  text "3" at 592.578,941.317 h2.5
  text "4" at 800.831,941.317 h2.5
  text "5" at 1009.245,941.317 h2.5
  text "6" at 1217.498,941.317 h2.5
  text "A" at 1326.95,844.829 h2.5
  text "A" at 1319.372,843.683 h2.5
  text "B" at 1327.111,644.729 h2.5
  text "B" at 1319.533,643.583 h2.5
  text "G" at 1184.36,519.385 h2.5
  text "N" at 1185.971,519.385 h2.5
  text "D" at 1187.582,519.385 h2.5
  text "G" at 1176.781,518.239 h2.5
  text "N" at 1178.392,518.239 h2.5
  text "D" at 1180.003,518.239 h2.5
  text "C" at 1327.111,444.468 h2.5
  text "C" at 1319.533,443.322 h2.5
  text "D" at 1327.111,244.207 h2.5
  text "D" at 1319.533,243.061 h2.5
  text "5" at 1016.824,146.574 h2.5
  text "6" at 1225.077,146.574 h2.5
  text "5" at 1009.245,145.428 h2.5
  text "6" at 1217.498,145.428 h2.5

## Text inside footprints (layer, text, board x,y; h text height)
C2: Top Overlay "-" at 238,73.907 h0.8 r90; Top Overlay "+" at 238.495,81.908 h0.8 r90
C20: Top Overlay "-" at 252.775,112.318 h0.8 r270; Top Overlay "+" at 252.28,104.317 h0.8 r270
C21: Top Overlay "+" at 216.73,98.642 h0.8 r270; Top Overlay "-" at 217.225,106.643 h0.8 r270
C22: Top Overlay "+" at 182.855,84.867 h0.8 r270; Top Overlay "-" at 183.35,92.868 h0.8 r270
C30: Top Overlay "+" at 247.72,95.808 h0.8 r90; Top Overlay "-" at 247.225,87.807 h0.8 r90
C32: Top Overlay "-" at 208.807,79.95 h0.8; Top Overlay "+" at 216.808,79.455 h0.8
C34: Top Overlay "-" at 207.3,68.593 h0.8 r270; Top Overlay "+" at 206.805,60.592 h0.8 r270
LED1: Top Overlay "K" at 231.27,52.54 h0.76 r90; Mechanical 15 "K" at 231.27,52.54 h0.76 r90
LED2: Top Overlay "K" at 228.73,57.46 h0.76 r270; Mechanical 15 "K" at 228.73,57.46 h0.76 r270
P1: Top Overlay "5" at 186.2,17.775 h1.02; Top Overlay "1" at 176.411,17.45 h1.02
P2: Top Overlay "1" at 163.021,17.821 h1.02; Top Overlay "5" at 173.35,17.45 h1.02
P3: Top Overlay "5" at 165.89,72.284 h1.02; Top Overlay "1" at 177.016,72.359 h1.02
P5: Top Overlay "5" at 166.05,58.825 h1.02; Top Overlay "1" at 176.75,59.118 h1.02
U7: Bottom Overlay "*" at 93.945,85.789 h1.27 r270; Mechanical 13 "*" at 92.815,86.844 h1.27 r270
U11: Bottom Overlay "*" at 113.262,63.149 h1.27 r270; Mechanical 13 "*" at 112.132,64.203 h1.27 r270
U16: Bottom Overlay "*" at 129.063,94.28 h1.27 r270; Mechanical 13 "*" at 127.933,95.334 h1.27 r270